# Altium PCB motor_base.PcbDoc (part 1 of 2)
Units mm, origin at the board's own origin, x right, y up, seen from the top; angles counter-clockwise.
Board outline 97 x 110 mm, 4 copper layers (L1 Top, L2 Power, L3 Ground, L4 Bottom), stack 1.576 mm thick; 85 components, 55 nets, 299 pads, 431 vias.
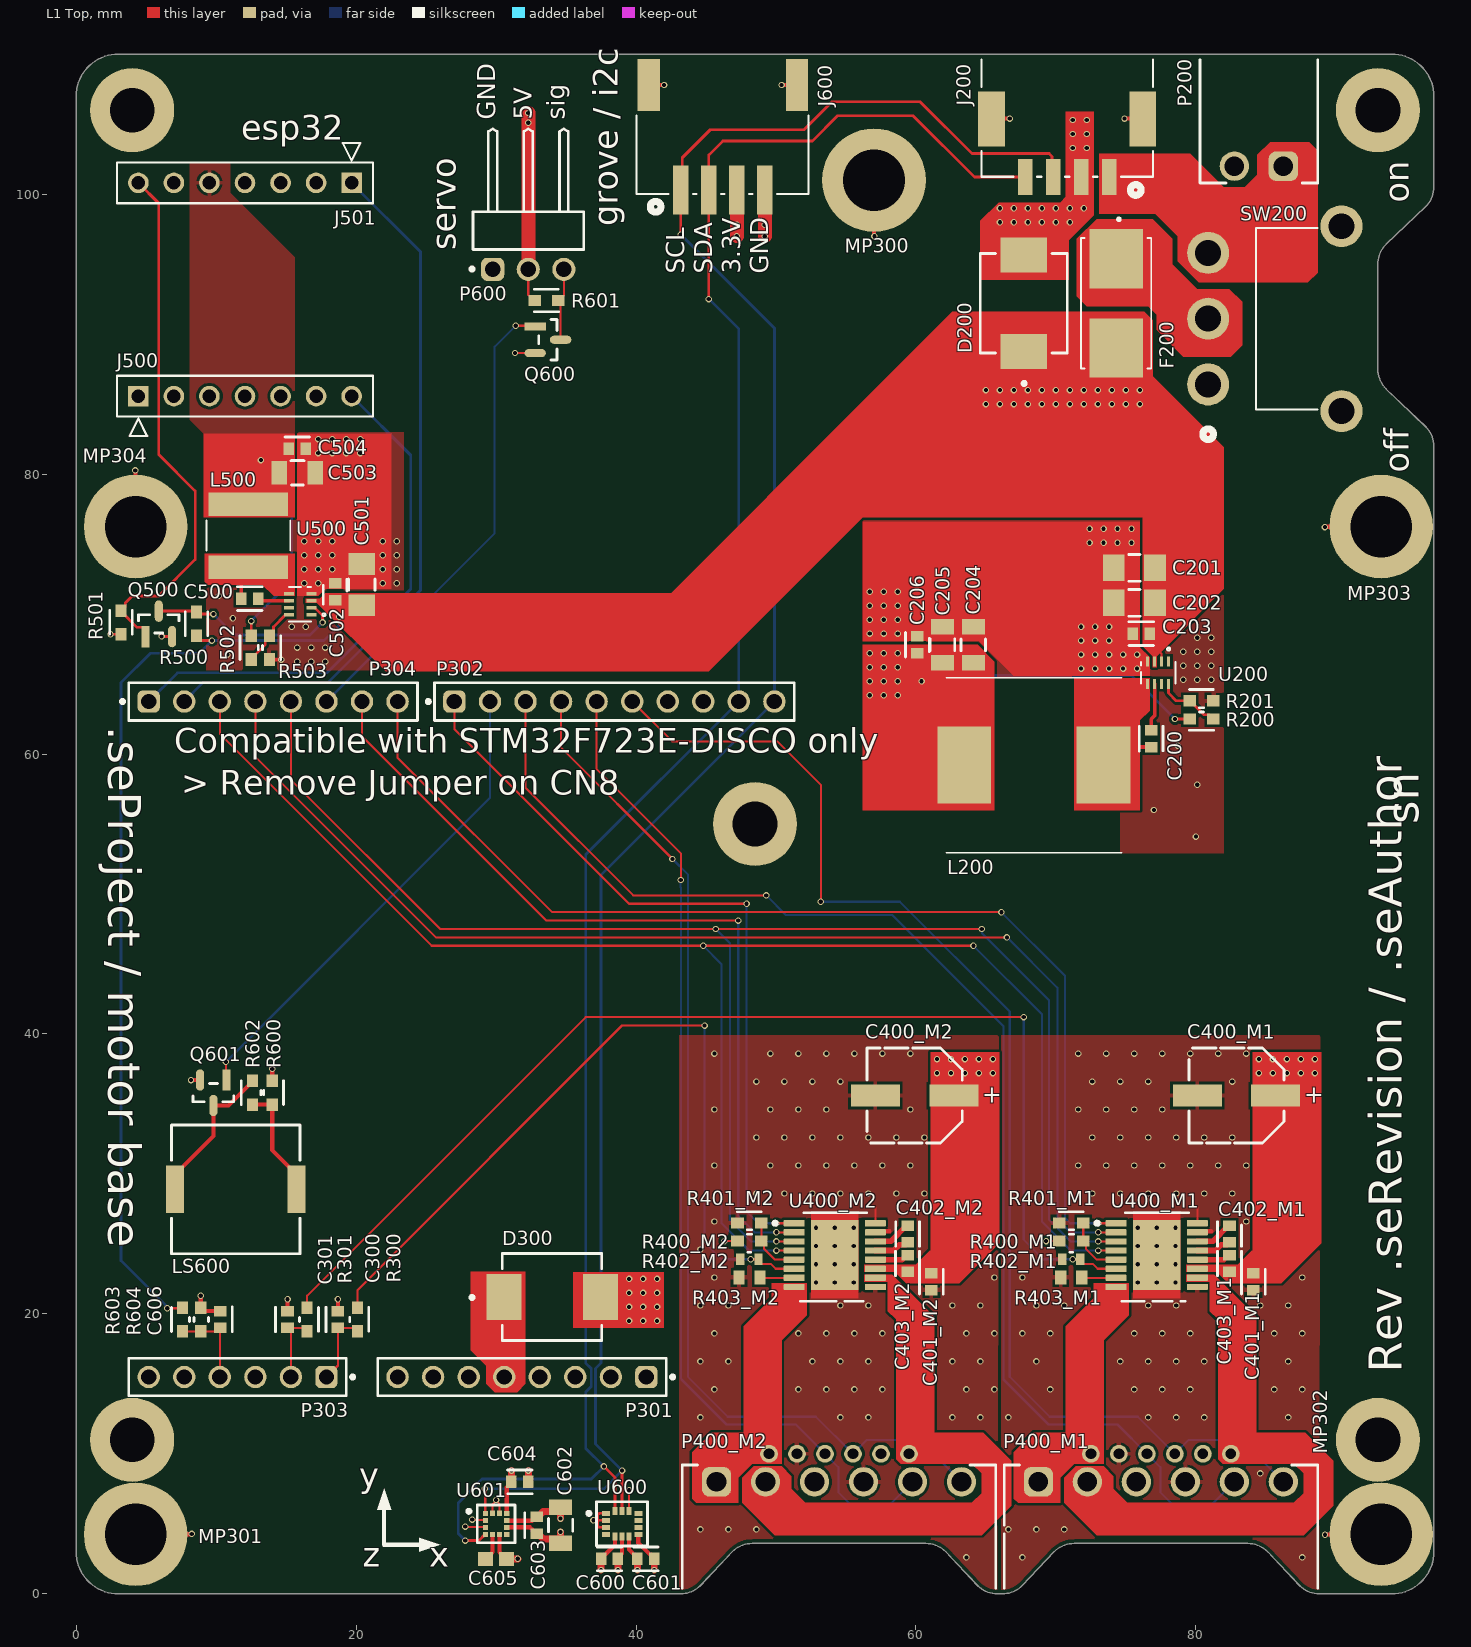
[diagram p0: L1 Top view]
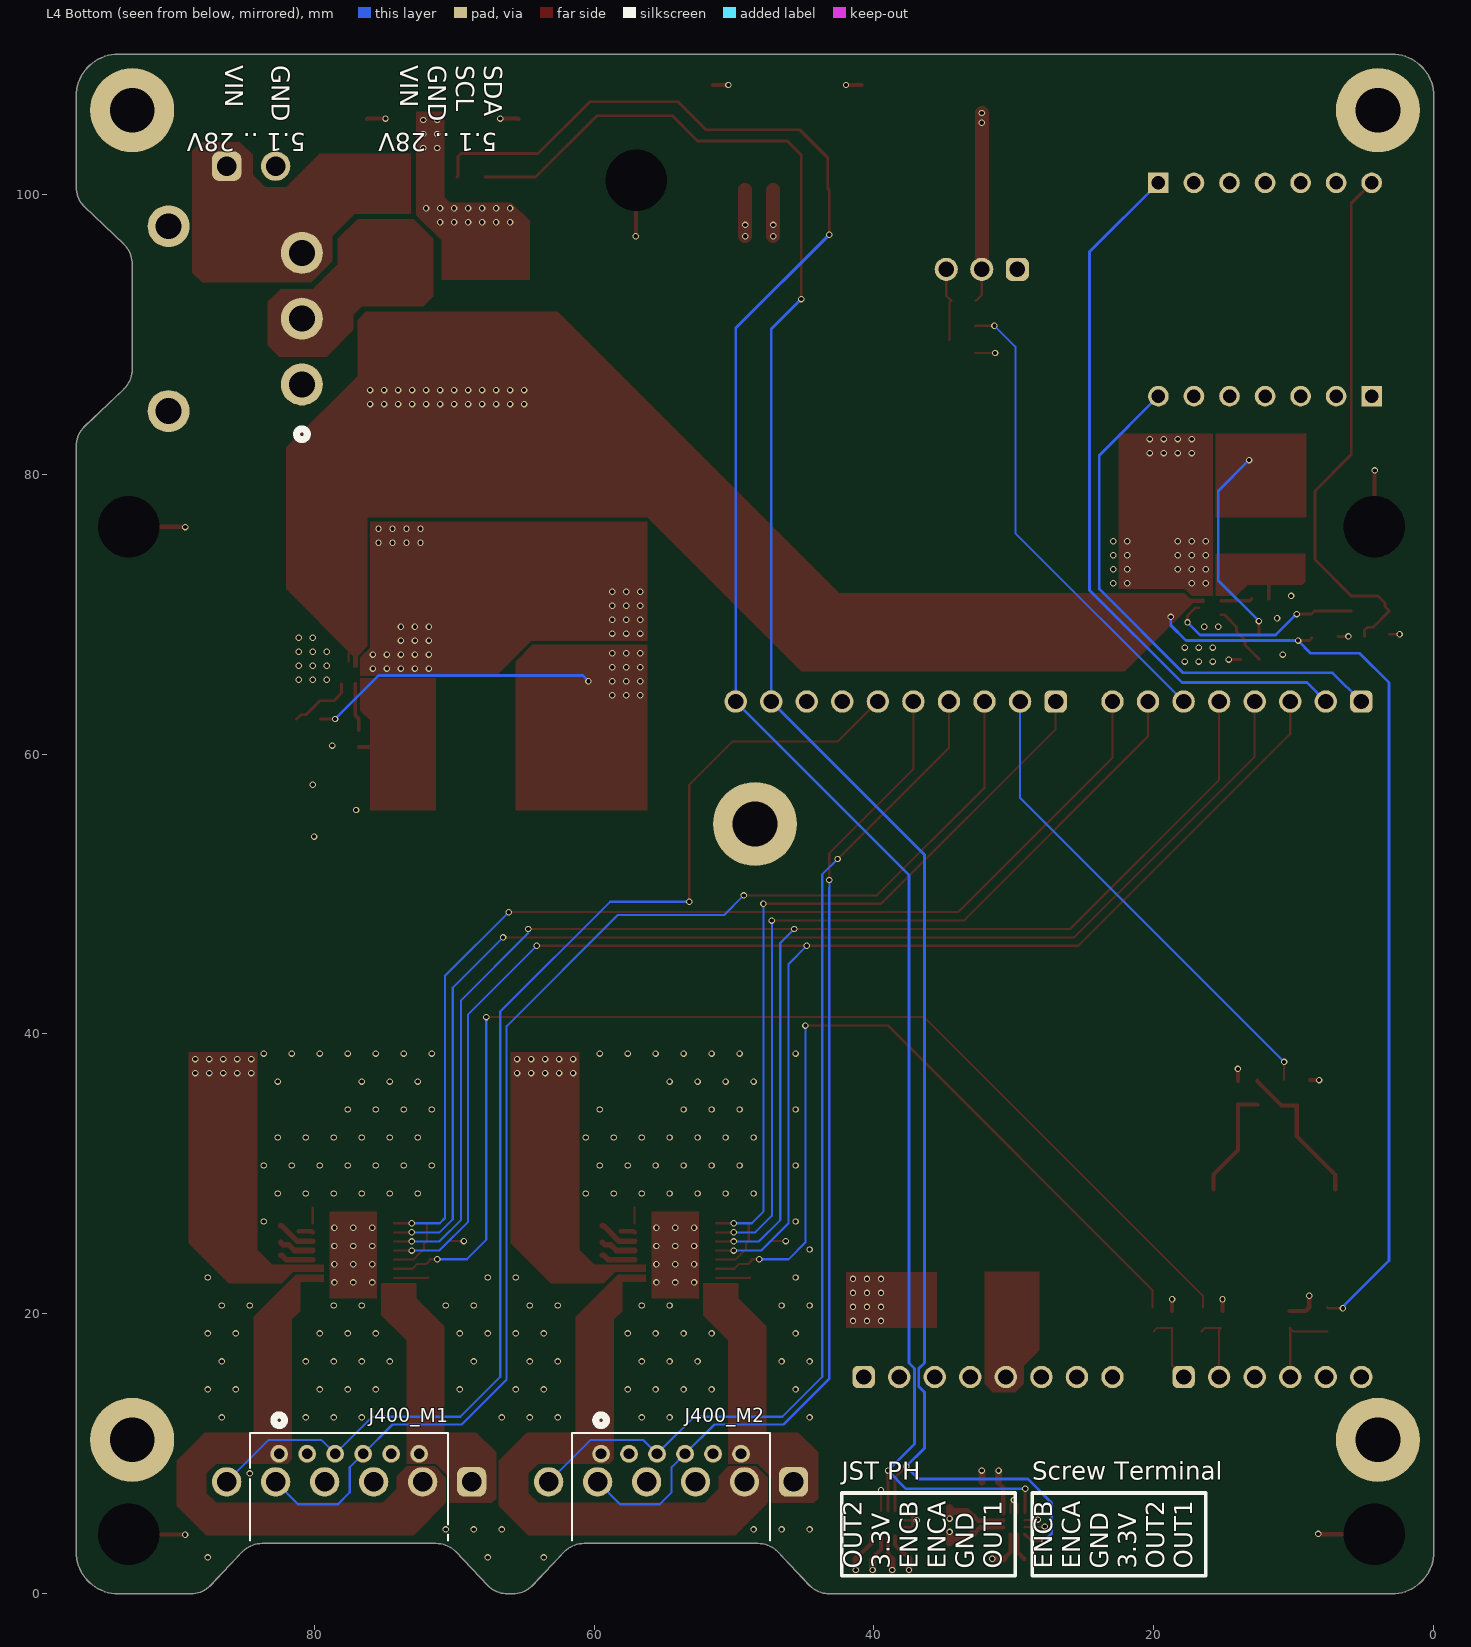
[diagram p1: L4 Bottom view, seen from below]
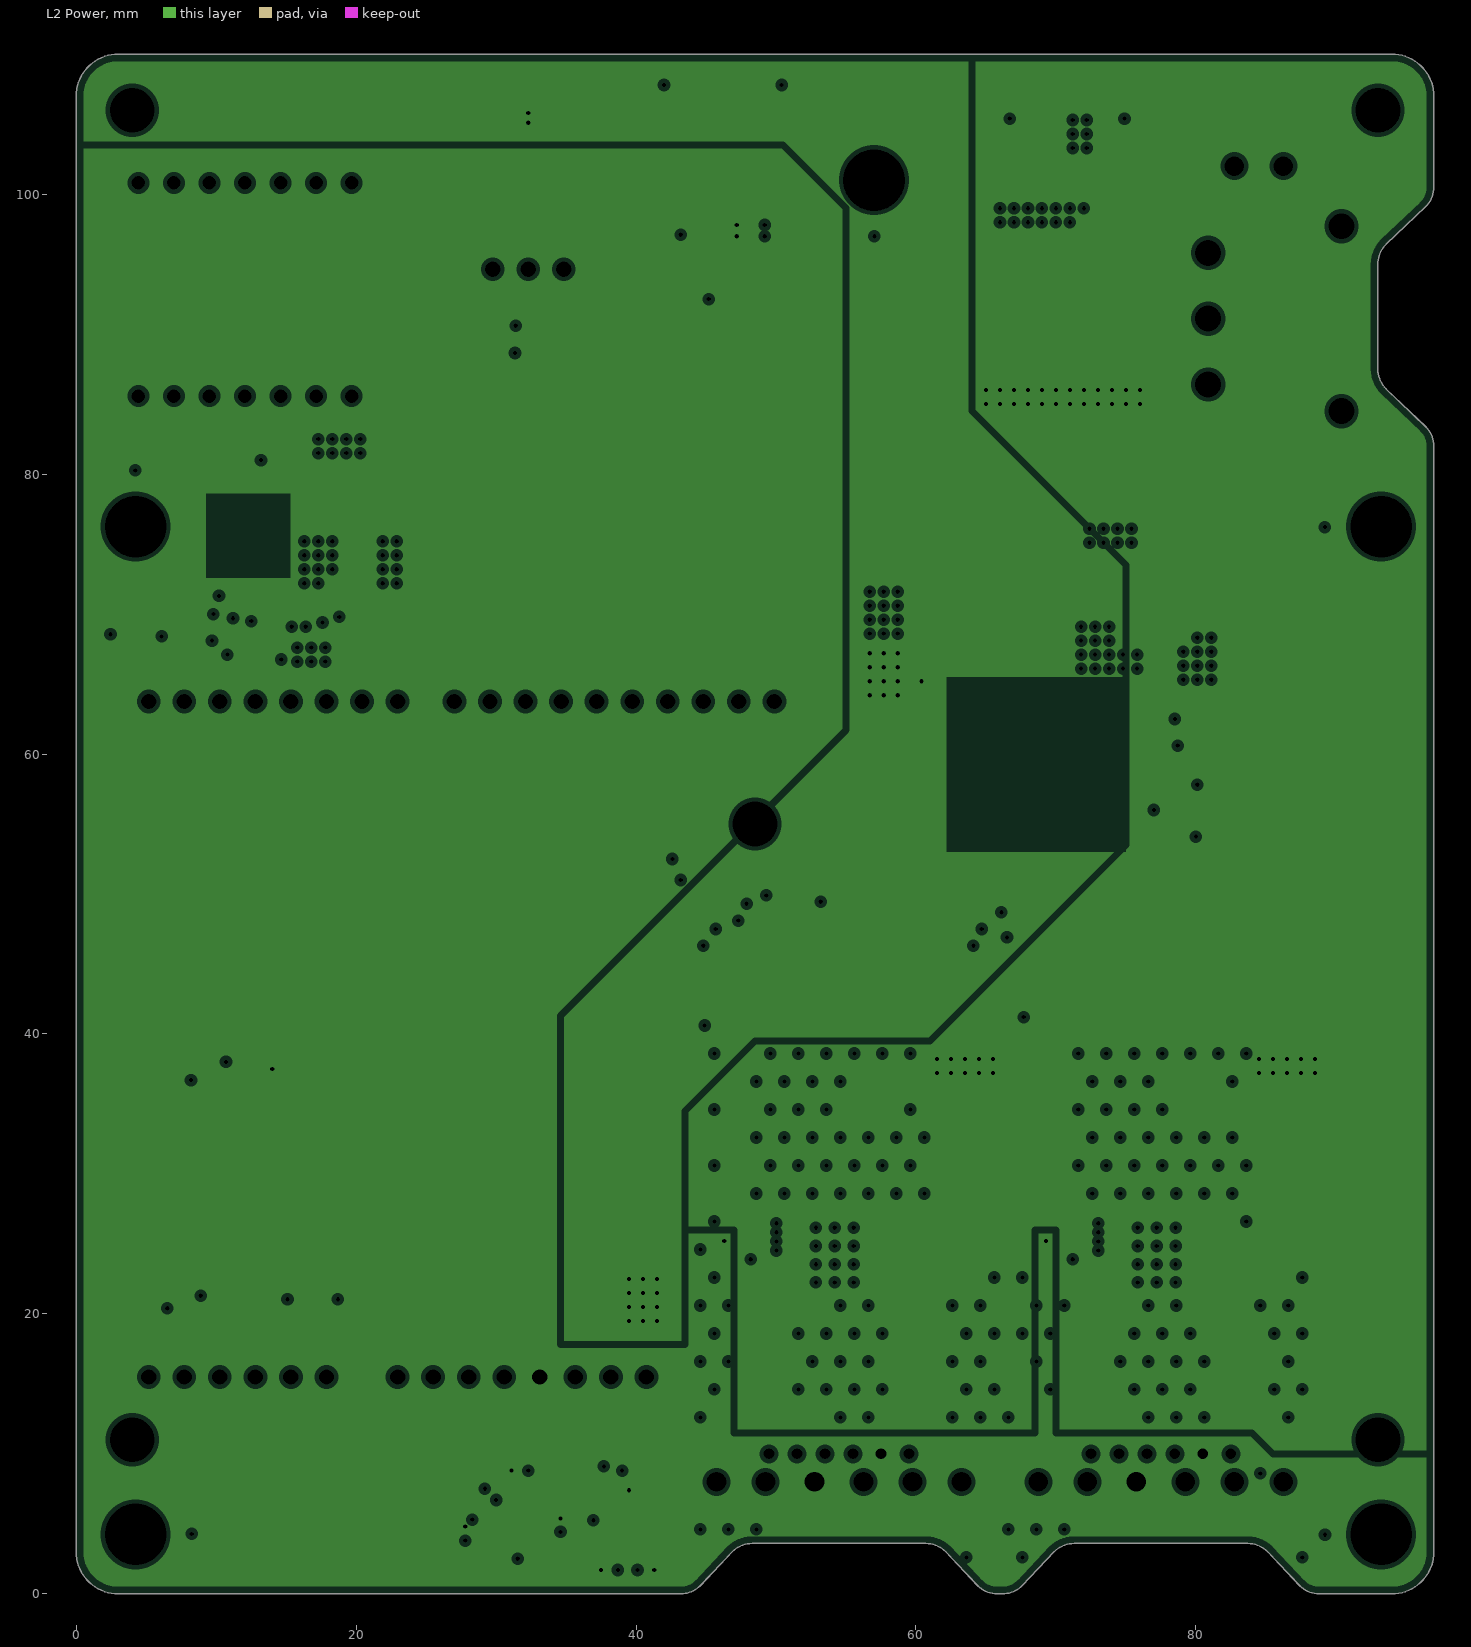
[diagram p2: L2 Power, clearances drawn from the general rule]
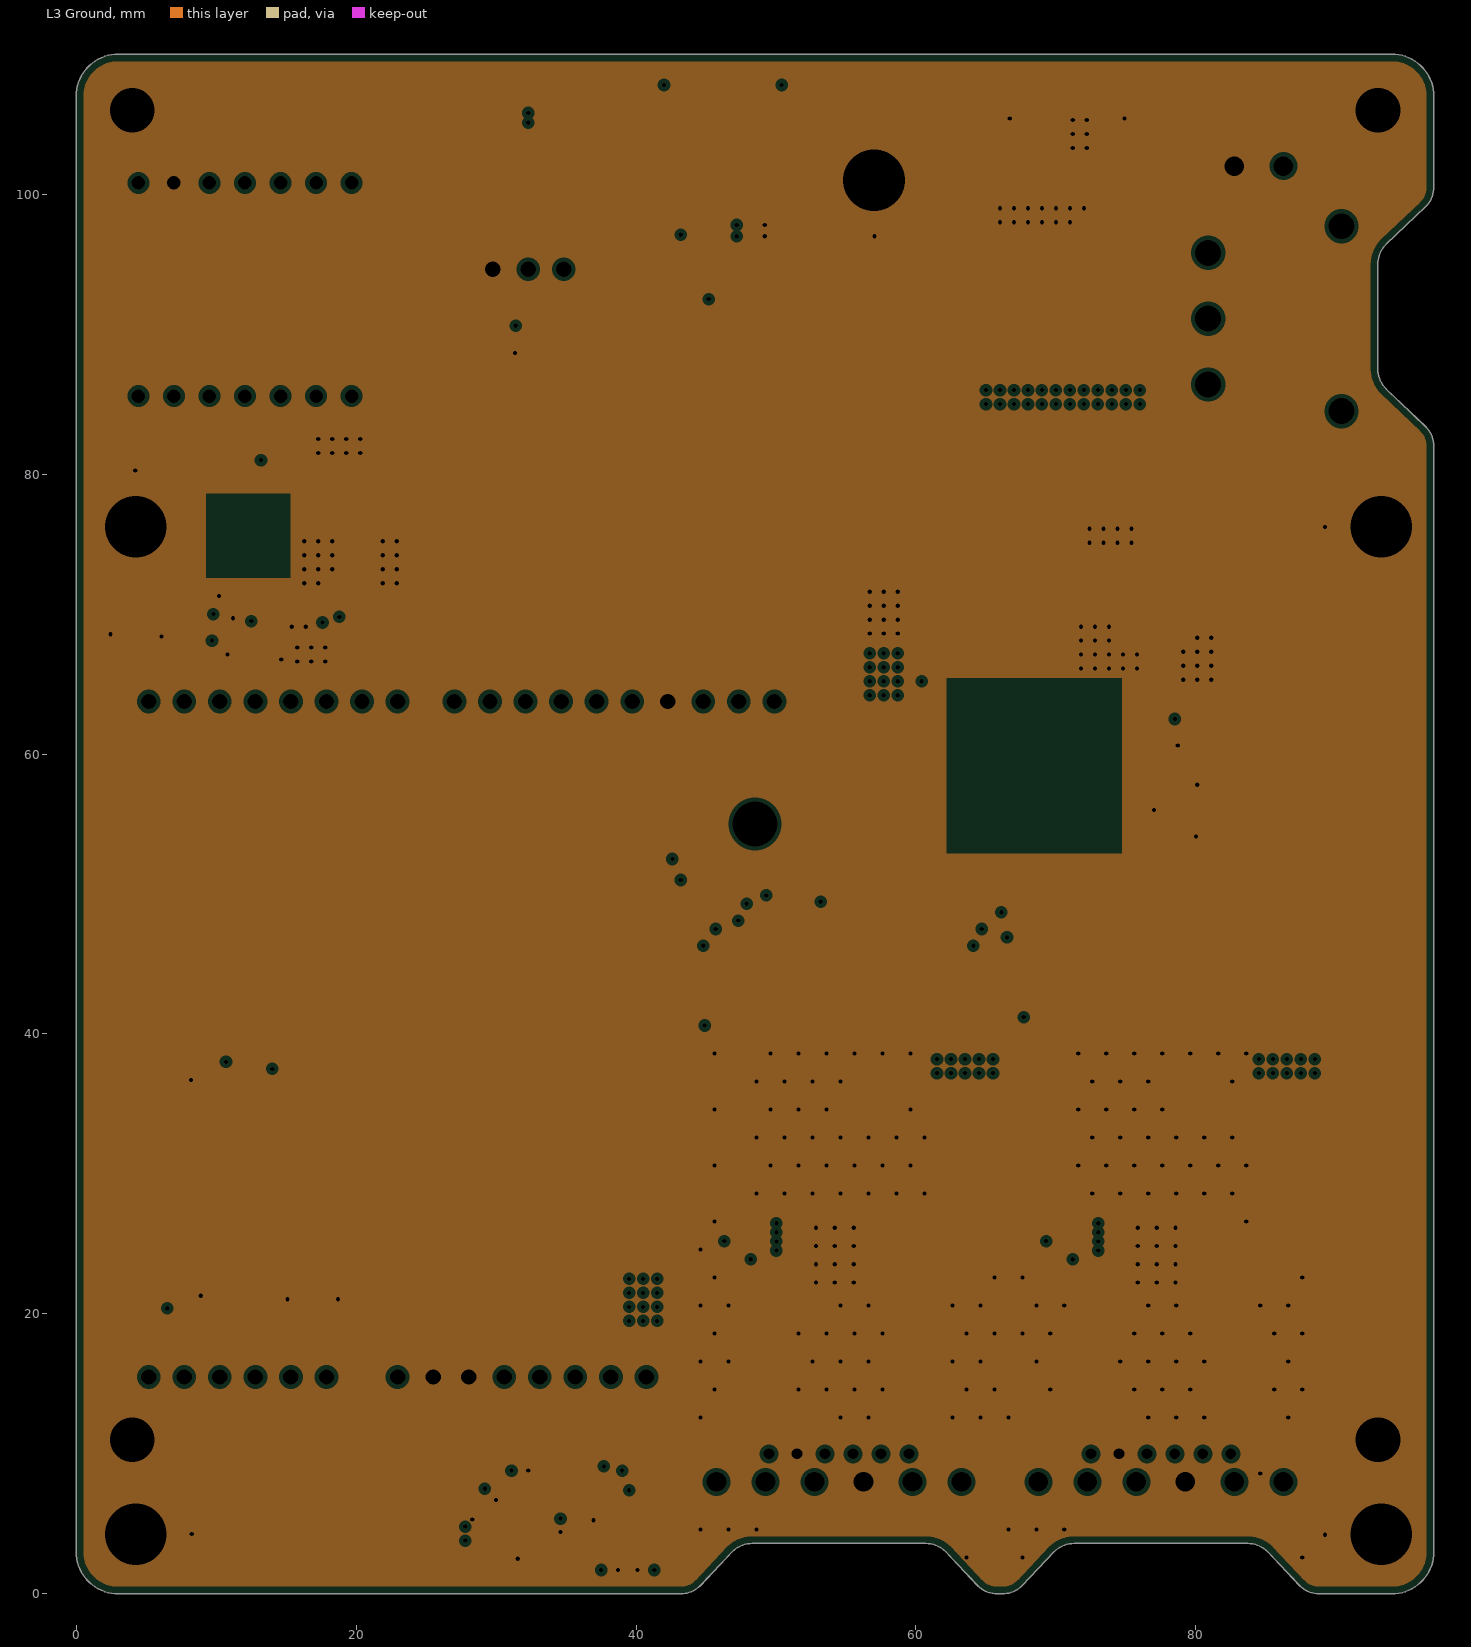
[diagram p3: L3 Ground, clearances drawn from the general rule]
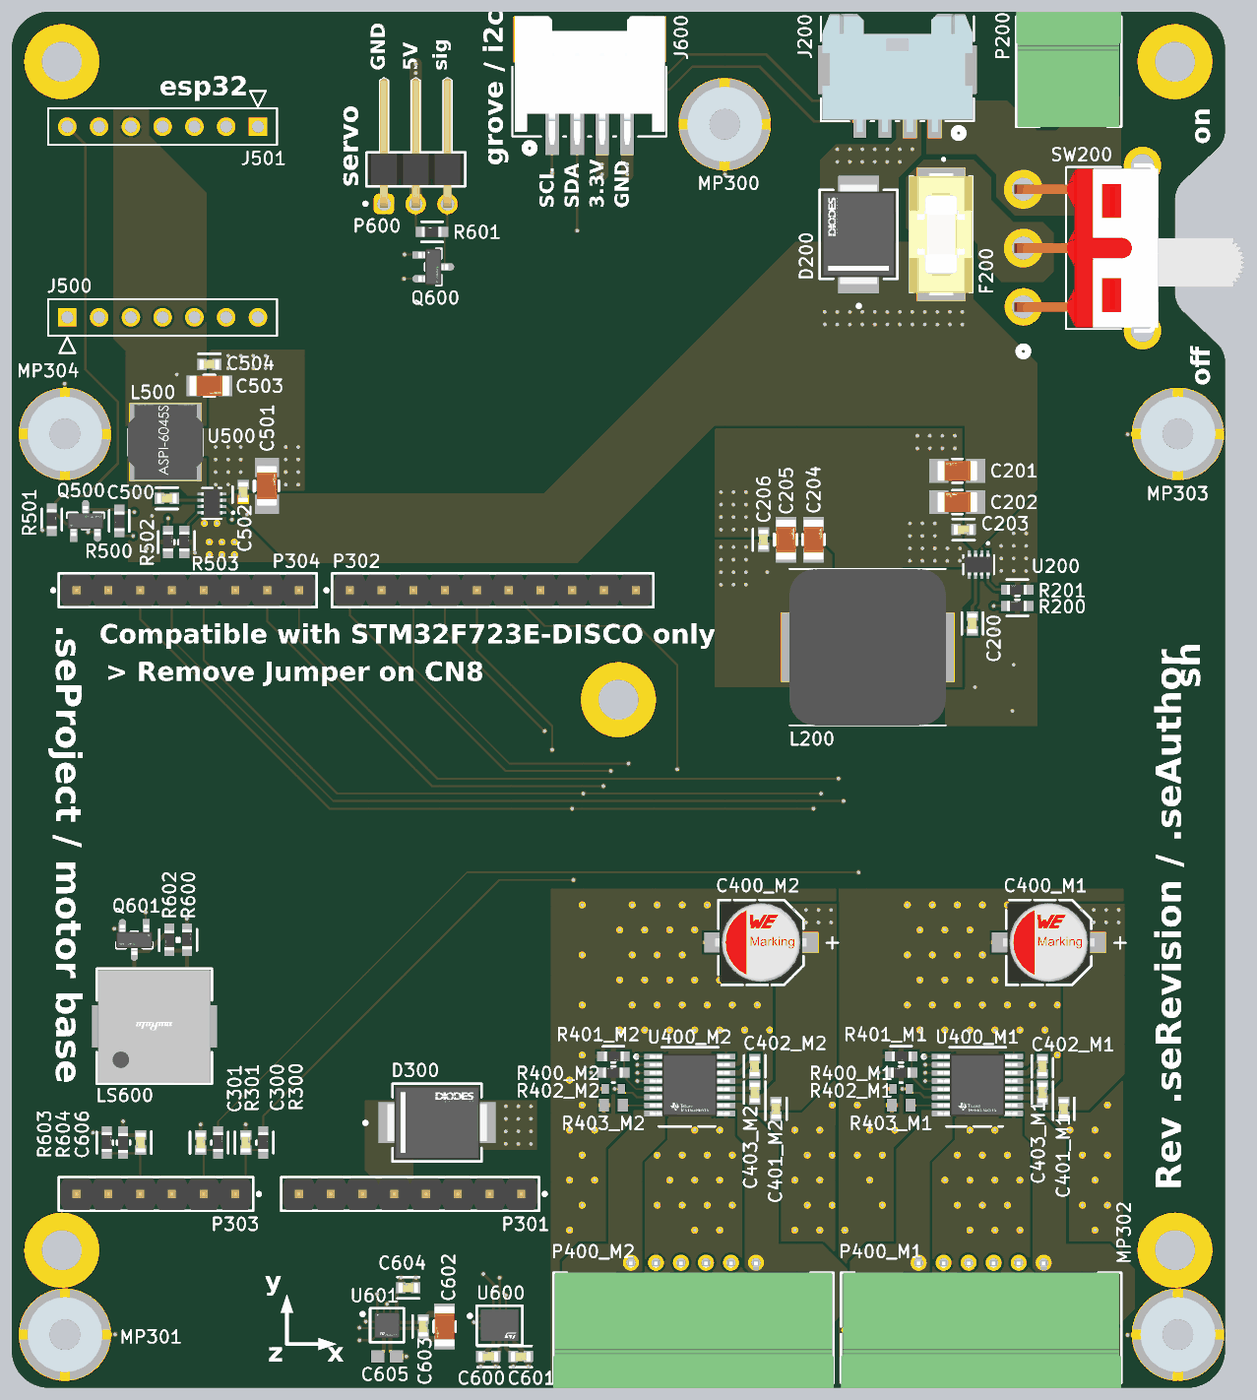
[diagram p5: 3D render of the assembled board from above, using the file's embedded part models]

## Layer stack, top to bottom
Top Solder: solder mask 0.0102, Solder Resist, Dk 3.5
L1 Top: signal copper 0.0356
Dielectric 2: prepreg 0.21, PP-006, Dk 4.1
L2 Power: plane copper 0.0175, net (Multiple Nets)
Dielectric 1: dielectric 1.05, FR-4, Dk 4.8
L3 Ground: plane copper 0.0175, net GND
Dielectric 3: prepreg 0.21, PP-006, Dk 4.1
L4 Bottom: signal copper 0.0356
Bottom Solder: solder mask 0.0102, Solder Resist, Dk 3.5

## Board outline
3,0 43.2,0 ccw(c43.2,1.956) 44.583,0.573 46.886,3.014 cw(c48.3,1.6) 48.3,3.6 60.7,3.6 cw(c60.7,1.6) 62.114,3.014 64.417,0.573 ccw(c65.8,1.956) 65.8,0 66.2,0 ccw(c66.2,1.956) 67.583,0.573 69.886,3.014 cw(c71.3,1.6) 71.3,3.6 83.7,3.6 cw(c83.7,1.6) 85.114,3.014 87.417,0.573 ccw(c88.8,1.956) 88.8,0 94,0 ccw(c94,3) 97,3 97,82 ccw(c95.044,82) 96.427,83.383 93.586,86.086 cw(c95,87.5) 93,87.5 93,95 cw(c95,95) 93.586,96.414 96.427,99.117 ccw(c95.044,100.5) 97,100.5 97,107 ccw(c94,107) 94,110 3,110 ccw(c3,107) 0,107 0,3 ccw(c3,3)
